# Altium PCB Archimajor.PcbDoc (part 6 of 12) (continued)
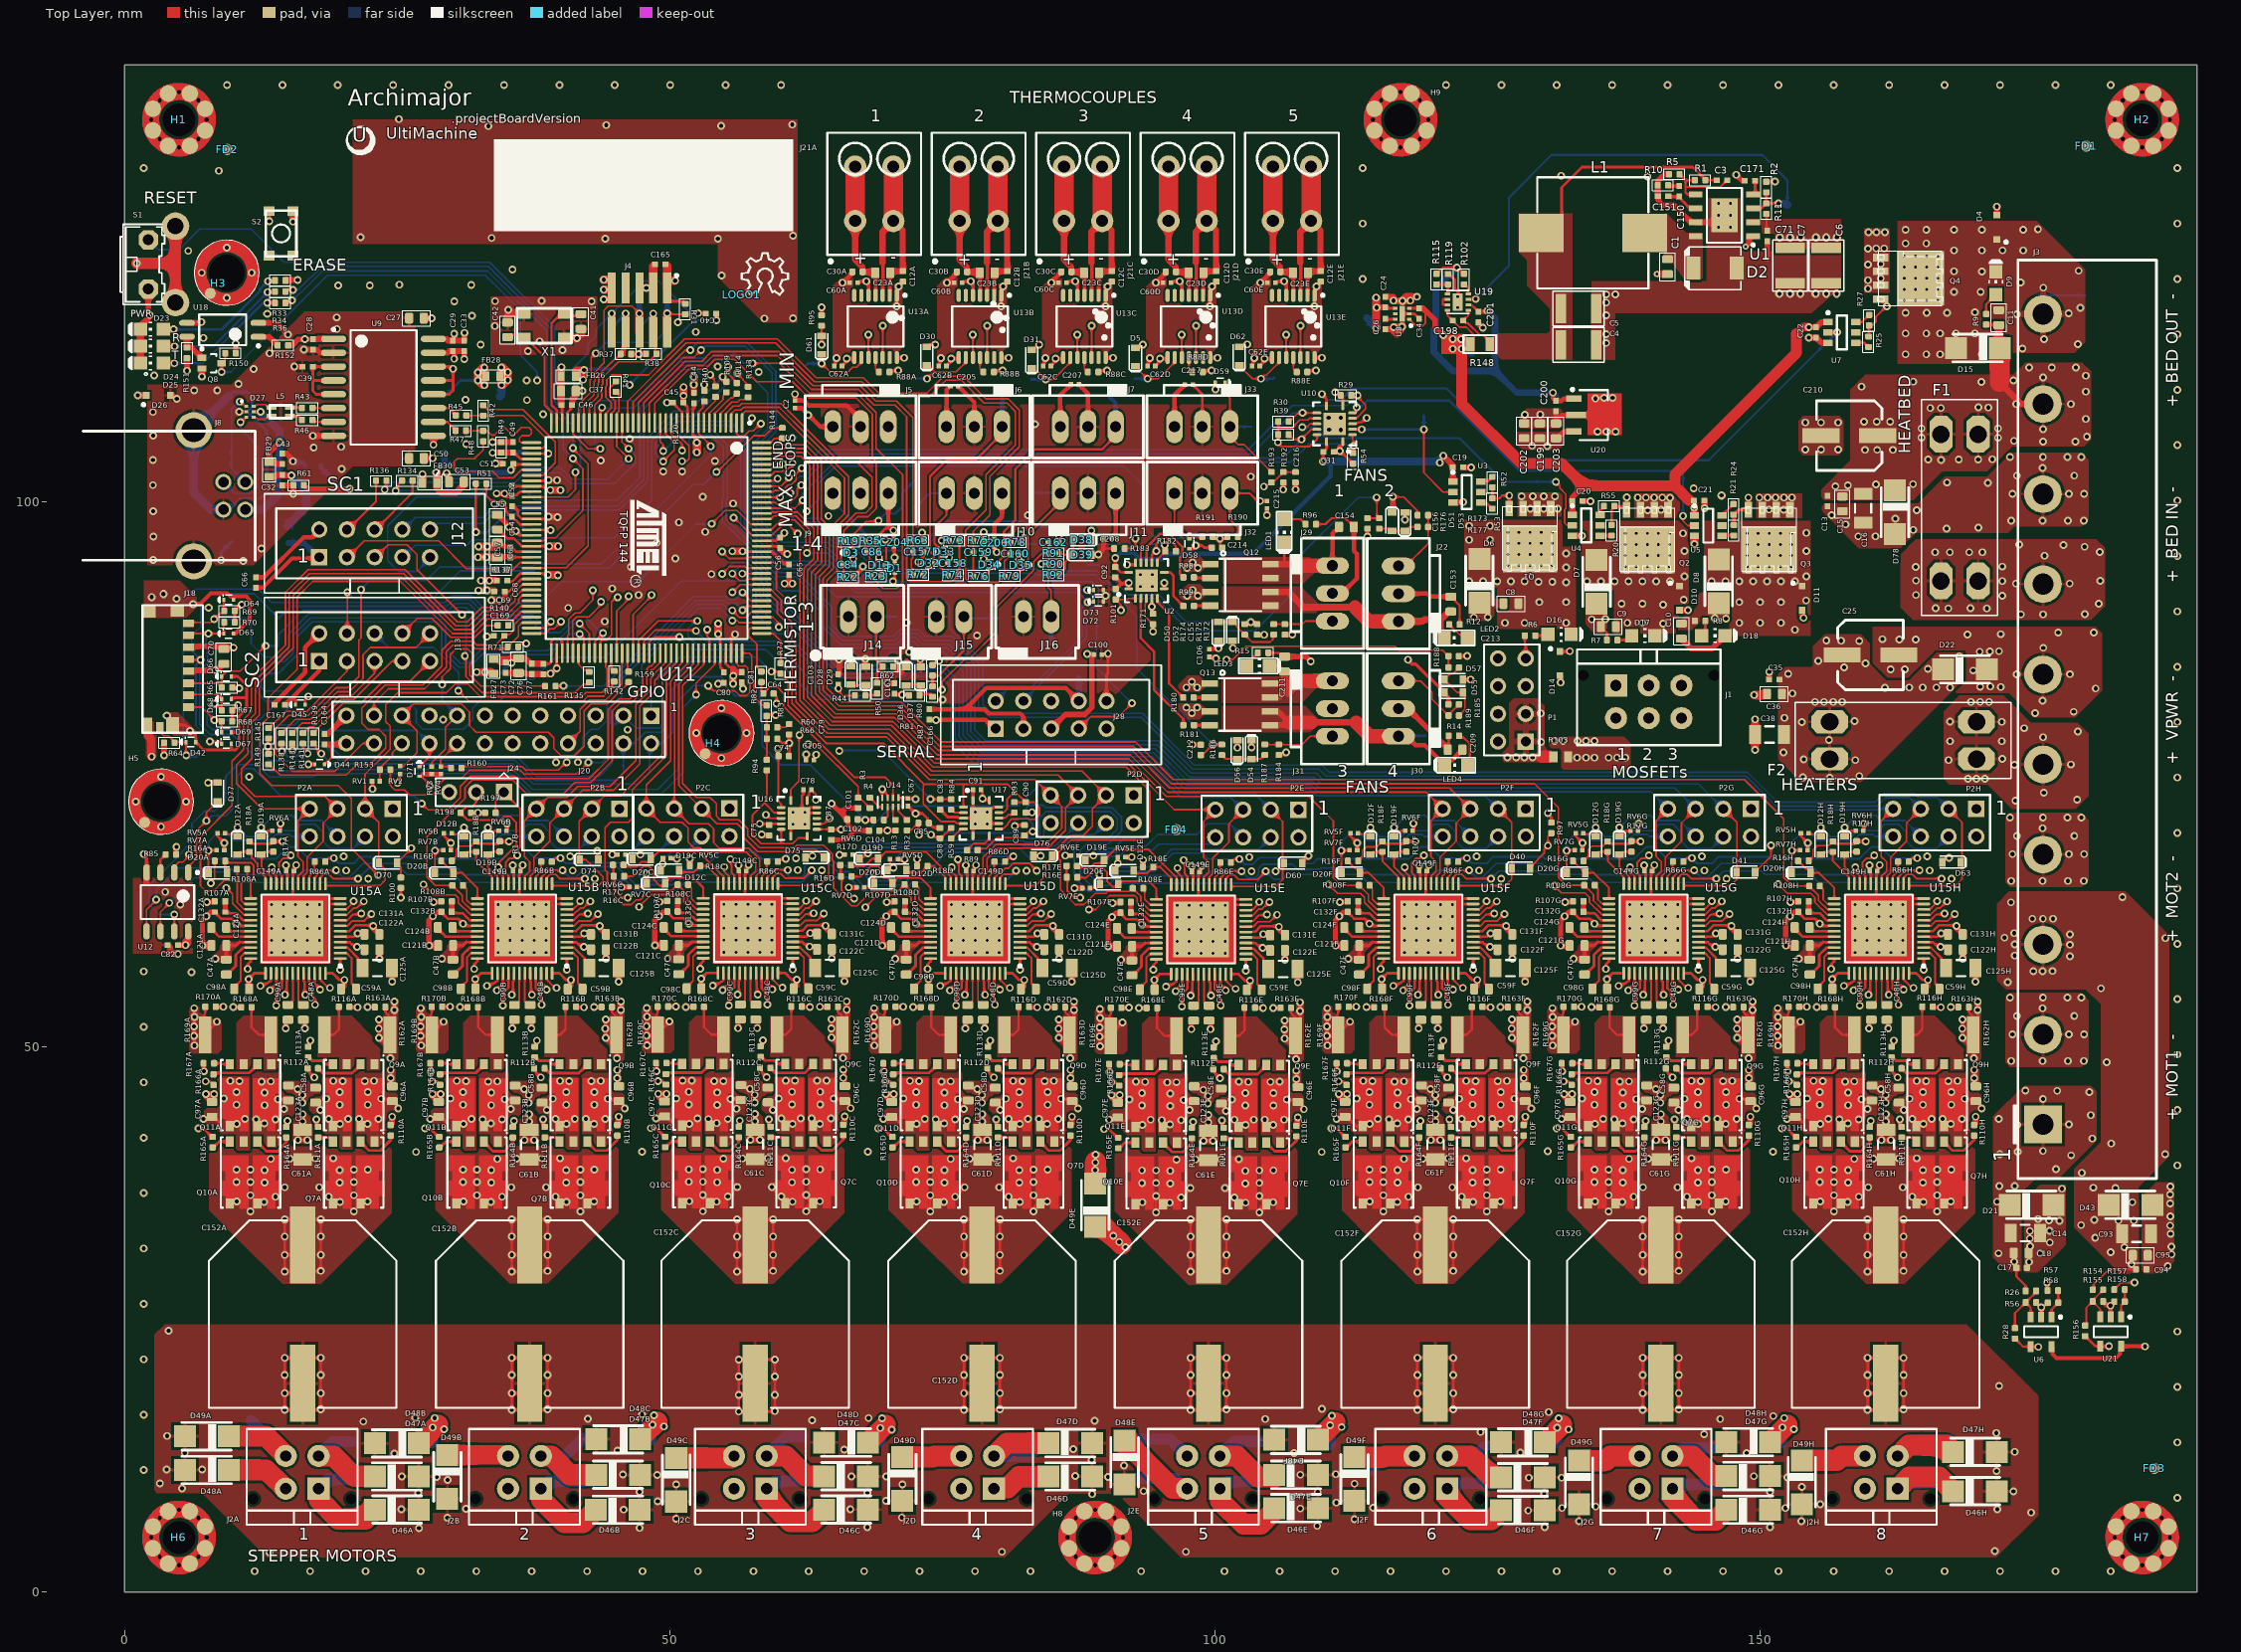
[diagram p0: Top Layer view]
## Nets (pads, with @x,y where several pads share a name; then routed paths per layer and width w, separated by ;. In a path a pad name is that pad's centre, name@x,y a point inside that pad or via, vN(x,y) a via of type N, cw(c..) or ccw(c..) an arc to the next point about the centre after c; other vN are vias at no path point) (continued)
  Bottom Layer w0.152: v1(62.093,103.034) 63.793,104.734 103.018,104.734 107.068,108.784 112.118,108.784 v1(113.043,109.709)
HEATBED: R30.2 U10.9 U11.134 | length 55.6
  Top Layer w0.152: U11.134@58.429,100.388 58.448,100.369 v1(60.118,100.369) ; R30.2@106.893,107.409 107.173,107.688 107.181,107.688 107.556,108.063 107.558,108.065 v1@108.144,108.065 ; v1@108.261,108.109 U10.9@109.336,108.109
  Bottom Layer w0.152: v1(60.118,100.369) 60.118,100.52 60.408,100.81 60.408,101.047 60.936,101.576 61.179,101.576 61.888,102.284 62.293,102.284 64.343,104.334 103.343,104.334 107.121,108.112 v1(108,108.112)
HOLD#: TP78.1 U11.103 U12.7 | length 76.1
  Top Layer w0.152: v1@4.542,62.059 v1@4.572,62.029 ; U12.7@4.572,60.571 v1@4.572,62.029 ; v1@4.593,62.015 4.587,62.015 v1@4.572,62.029 ; v1(52.4,82.285) 52.4,83.323 54.129,85.052 U11.103@54.129,86.088
  Bottom Layer w0.152: v1(4.568,62.115) 3.188,62.115 2.283,63.019 2.283,64.799 5.283,67.799 5.283,67.897 6.193,68.807 6.193,70.459 7.34,71.607 8.24,71.607 9.274,72.641 TP78.1@9.274,73.908 9.274,74.764 10.372,75.862 12.17,75.862 13.31,74.722 17.324,74.722 17.652,75.051 35.42,75.051 37.251,73.219 49.287,73.219 51.193,75.125 51.193,81.078 v1(52.4,82.285)
HTBD-OUT: C11.2 D4.C D9.C D15.A J3.10 Q4.TAB TP37.1 | length 3.9
  Bottom Layer w0.203: 175.895,118.942 175.94,118.897 TP37.1@179.754,118.897
  other v1: 163.3,113.486 165.205,113.486 166.475,113.486 170.285,113.486 174.009,114.012 179.1,114.428 176.01,114.883 163.3,115.391 165.205,115.391 166.475,115.391 167.911,115.391 169.65,115.391 173.513,117.162 178.249,117.241 163.3,117.296 165.227,117.296 167.11,117.296 169.65,117.346 179.318,117.736 167.745,119.201 170.179,119.201 175.931,119.599 173.85,120.074 170.285,121.065 167.745,121.106 179.16,121.144 167.745,123.011 170.285,123.011 172.19,123.011 174.095,123.011 163.3,123.646 165.205,123.646 163.3,124.916 165.205,124.916 167.745,124.916 170.285,124.916 174.095,124.916 175.435,124.948
  other v2: 163.195,118.427 164.211,118.427 165.227,118.427 166.243,118.427 163.195,119.443 164.211,119.443 165.227,119.443 166.243,119.443 163.195,120.459 164.211,120.459 165.227,120.459 166.243,120.459 163.195,121.475 164.211,121.475 165.227,121.475 166.243,121.475 163.195,122.491 164.211,122.491 165.227,122.491 166.243,122.491
HTR1: C8.2 D6.A D14.C D16.C J1.1 Q1.TAB TP40.1 | length 2.5
  Top Layer w0.254: D14.C@131.593,86.234 132.493,86.234 v1(132.518,86.259)
  Bottom Layer w0.254: v2(128.87,94.119) 128.87,93.129 TP40.1@129.289,92.71
  other v1: 126.579,88.862 128.375,88.862 132.185,88.862 129.705,90.767 132.185,90.767 132.185,92.57 129.645,92.621 130.915,92.621 123.295,92.672 124.565,92.672 125.855,92.672 127.105,92.672 128.375,92.672 132.185,93.942 132.185,95.212 123.295,96.482 125.2,96.482 123.295,97.752 125.2,97.752
  other v2: 126.838,94.119 127.854,94.119 129.886,94.119 130.902,94.119 126.838,95.135 127.854,95.135 128.87,95.135 129.886,95.135 130.902,95.135 126.838,96.151 127.854,96.151 128.87,96.151 129.886,96.151 130.902,96.151 126.838,97.167 127.854,97.167 128.87,97.167 129.886,97.167 130.902,97.167
HTR2: C9.2 D7.A D10.C D17.C J1.3 Q2.TAB TP39.1 | length 1.6
  Bottom Layer w0.203: v2(139.627,94.018) 139.627,92.99 TP39.1@140.008,92.609
  other v1: 141.075,88.789 137.799,88.862 139.17,88.862 141.075,90.538 137.265,90.621 139.17,90.621 142.954,90.97 134.09,92.672 135.36,92.672 136.63,92.672 137.9,92.672 139.17,92.672 140.44,92.672 141.71,92.672 143.03,93.129 143.03,95.44 142.893,97.066
  other v2: 137.595,94.018 138.611,94.018 140.643,94.018 141.659,94.018 137.595,95.034 138.611,95.034 139.627,95.034 140.643,95.034 141.659,95.034 137.595,96.05 138.611,96.05 139.627,96.05 140.643,96.05 141.659,96.05 137.595,97.066 138.611,97.066 139.627,97.066 140.643,97.066 141.659,97.066
HTR3: C10.2 D8.A D11.C D18.C J1.5 Q3.TAB TP38.1 | length 6.5
  Top Layer w0.508: C10.2@142.743,87.429 142.873,87.429 142.989,87.313 142.989,87.183 143.663,86.509 145.559,86.509 D18.C@146.735,87.685
  Bottom Layer w0.203: v2(150.803,94.018) 150.803,93.015 TP38.1@151.209,92.609
  other v1: 153.14,88.227 148.06,88.862 149.965,88.862 151.87,88.862 148.06,90.767 149.965,90.767 151.87,90.767 154.181,90.919 145.52,92.672 146.79,92.672 148.06,92.672 149.33,92.672 150.6,92.672 151.87,92.672 153.14,92.672 154.206,93.129 154.206,95.441 154.206,97.117
  other v2: 148.771,94.018 149.787,94.018 151.819,94.018 152.835,94.018 148.771,95.034 149.787,95.034 150.803,95.034 151.819,95.034 152.835,95.034 148.771,96.05 149.787,96.05 150.803,96.05 151.819,96.05 152.835,96.05 148.771,97.066 149.787,97.066 150.803,97.066 151.819,97.066 152.835,97.066
LA1A: R166A.1 U15A.39 | length 13.7
  Top Layer w0.229: v1@13.237,55.125 13.241,55.129 v1@13.241,55.085 ; v1@13.241,55.033 v1@13.241,55.085 ; U15A.39@13.932,56.735 13.932,55.777 13.36,55.205 v1(13.36,55.157) 13.313,55.157 v1@13.241,55.085
  Top Layer w0.254: v1(7.437,46.825) 7.832,46.825 R166A.1@8.162,46.495
  Mid1 w0.254: v1(7.437,46.825) 13.03,52.418 13.03,54.874 13.313,55.157 v1(13.36,55.157)
LA1B: R166B.1 U15B.39 | length 13.7
  Top Layer w0.229: v1@34.012,55.125 34.016,55.129 v1@34.016,55.085 ; v1@34.016,55.033 v1@34.016,55.085 ; U15B.39@34.707,56.735 34.707,55.777 34.135,55.205 v1(34.135,55.157) 34.088,55.157 v1@34.016,55.085
  Top Layer w0.254: v1(28.212,46.825) 28.607,46.825 R166B.1@28.937,46.495
  Mid1 w0.254: v1(28.212,46.825) 33.805,52.418 33.805,54.874 34.088,55.157 v1(34.135,55.157)
LA1C: R166C.1 U15C.39 | length 13.7
  Top Layer w0.229: v1@54.72,55.15 54.724,55.153 v1@54.724,55.109 ; v1@54.724,55.058 v1@54.724,55.109 ; U15C.39@55.415,56.76 55.415,55.801 54.843,55.229 v1(54.843,55.181) 54.795,55.181 v1@54.724,55.109
  Top Layer w0.254: v1(48.92,46.85) 49.315,46.85 R166C.1@49.645,46.52
  Mid1 w0.254: v1(48.92,46.85) 54.513,52.443 54.513,54.899 54.795,55.181 v1(54.843,55.181)
LA1D: R166D.1 U15D.39 | length 13.7
  Top Layer w0.229: v1@75.562,55.125 75.566,55.129 v1@75.566,55.085 ; v1@75.566,55.033 v1@75.566,55.085 ; U15D.39@76.257,56.735 76.257,55.777 75.685,55.205 v1(75.685,55.157) 75.638,55.157 v1@75.566,55.085
  Top Layer w0.254: v1(69.762,46.825) 70.157,46.825 R166D.1@70.487,46.495
  Mid1 w0.254: v1(69.762,46.825) 75.355,52.418 75.355,54.874 75.638,55.157 v1(75.685,55.157)
LA1E: R166E.1 U15E.39 | length 13.7
  Top Layer w0.229: v1@96.27,55.05 96.274,55.053 v1@96.274,55.01 ; v1@96.274,54.958 v1@96.274,55.01 ; U15E.39@96.965,56.66 96.965,55.701 96.393,55.129 v1(96.393,55.081) 96.345,55.081 v1@96.274,55.01
  Top Layer w0.254: v1(90.47,46.75) 90.865,46.75 R166E.1@91.195,46.42
  Mid1 w0.254: v1(90.47,46.75) 96.063,52.343 96.063,54.799 96.345,55.081 v1(96.393,55.081)
LA1F: R166F.1 U15F.39 | length 13.7
  Top Layer w0.229: v1@117.112,55.125 117.116,55.129 v1@117.116,55.085 ; v1@117.116,55.033 v1@117.116,55.085 ; U15F.39@117.807,56.735 117.807,55.777 117.235,55.205 v1(117.235,55.157) 117.188,55.157 v1@117.116,55.085
  Top Layer w0.254: v1(111.312,46.825) 111.707,46.825 R166F.1@112.037,46.495
  Mid1 w0.254: v1(111.312,46.825) 116.905,52.418 116.905,54.874 117.188,55.157 v1(117.235,55.157)
LA1G: R166G.1 U15G.39 | length 13.7
  Top Layer w0.229: v1@137.763,55.125 137.766,55.129 v1@137.766,55.085 ; v1@137.766,55.033 v1@137.766,55.085 ; U15G.39@138.458,56.735 138.458,55.777 137.886,55.205 v1(137.886,55.157) 137.838,55.157 v1@137.766,55.085
  Top Layer w0.254: v1(131.963,46.825) 132.358,46.825 R166G.1@132.688,46.495
  Mid1 w0.254: v1(131.963,46.825) 137.555,52.418 137.555,54.874 137.838,55.157 v1(137.886,55.157)
LA1H: R166H.1 U15H.39 | length 13.7
  Top Layer w0.229: v1@158.413,55.125 158.416,55.129 v1@158.416,55.085 ; v1@158.416,55.033 v1@158.416,55.085 ; U15H.39@159.108,56.735 159.108,55.777 158.536,55.205 v1(158.536,55.157) 158.488,55.157 v1@158.416,55.085
  Top Layer w0.254: v1(152.613,46.825) 153.008,46.825 R166H.1@153.338,46.495
  Mid1 w0.254: v1(152.613,46.825) 158.206,52.418 158.206,54.874 158.488,55.157 v1(158.536,55.157)
LA2A: R167A.2 U15A.38 | length 12.6
  Top Layer w0.229: 13.128,55.83 13.192,55.894 13.432,56.045 U15A.38@13.432,56.735
  Top Layer w0.254: R167A.2@7.255,48.475 7.212,48.433 7.29,48.356 v1(7.29,47.74) ; v1(12.462,55.575) 13.039,55.805
  Mid1 w0.254: v1(7.29,47.74) 7.237,47.74 7.22,47.758 7.307,47.758 12.462,52.913 v1(12.462,55.575)
LA2B: R167B.2 U15B.38 | length 12.6
  Top Layer w0.229: 33.903,55.83 33.967,55.894 34.207,56.045 U15B.38@34.207,56.735
  Top Layer w0.254: R167B.2@28.03,48.475 27.987,48.433 28.065,48.356 v1(28.065,47.74) ; v1(33.237,55.575) 33.814,55.805
  Mid1 w0.254: v1(28.065,47.74) 28.012,47.74 27.995,47.758 28.082,47.758 33.237,52.913 v1(33.237,55.575)
LA2C: R167C.2 U15C.38 | length 12.6
  Top Layer w0.229: 54.611,55.854 54.675,55.918 54.915,56.07 U15C.38@54.915,56.76
  Top Layer w0.254: R167C.2@48.738,48.5 48.695,48.457 48.773,48.38 v1(48.773,47.764) ; v1(53.945,55.6) 54.522,55.83
  Mid1 w0.254: v1(48.773,47.764) 48.72,47.764 48.702,47.782 48.79,47.782 53.945,52.937 v1(53.945,55.6)
LA2D: R167D.2 U15D.38 | length 12.6
  Top Layer w0.229: 75.453,55.83 75.517,55.894 75.757,56.045 U15D.38@75.757,56.735
  Top Layer w0.254: R167D.2@69.58,48.475 69.537,48.433 69.615,48.356 v1(69.615,47.74) ; v1(74.787,55.575) 75.364,55.805
  Mid1 w0.254: v1(69.615,47.74) 69.562,47.74 69.545,47.758 69.632,47.758 74.787,52.913 v1(74.787,55.575)
LA2E: R167E.2 U15E.38 | length 12.6
  Top Layer w0.229: 96.161,55.754 96.225,55.818 96.465,55.97 U15E.38@96.465,56.66
  Top Layer w0.254: R167E.2@90.288,48.4 90.245,48.357 90.323,48.28 v1(90.323,47.664) ; v1(95.495,55.5) 96.072,55.73
  Mid1 w0.254: v1(90.323,47.664) 90.27,47.664 90.252,47.682 90.34,47.682 95.495,52.837 v1(95.495,55.5)
LA2F: R167F.2 U15F.38 | length 12.6
  Top Layer w0.229: 117.003,55.83 117.067,55.894 117.307,56.045 U15F.38@117.307,56.735
  Top Layer w0.254: R167F.2@111.13,48.475 111.087,48.433 111.165,48.356 v1(111.165,47.74) ; v1(116.337,55.575) 116.914,55.805
  Mid1 w0.254: v1(111.165,47.74) 111.112,47.74 111.095,47.758 111.182,47.758 116.337,52.913 v1(116.337,55.575)
LA2G: R167G.2 U15G.38 | length 12.6
  Top Layer w0.229: 137.653,55.83 137.717,55.894 137.958,56.045 U15G.38@137.958,56.735
  Top Layer w0.254: R167G.2@131.78,48.475 131.738,48.433 131.815,48.356 v1(131.815,47.74) ; v1(136.988,55.575) 137.564,55.805
  Mid1 w0.254: v1(131.815,47.74) 131.762,47.74 131.745,47.758 131.833,47.758 136.988,52.913 v1(136.988,55.575)
LA2H: R167H.2 U15H.38 | length 12.6
  Top Layer w0.229: 158.303,55.83 158.367,55.894 158.608,56.045 U15H.38@158.608,56.735
  Top Layer w0.254: R167H.2@152.43,48.475 152.388,48.433 152.465,48.356 v1(152.465,47.74) ; v1(157.638,55.575) 158.214,55.805
  Mid1 w0.254: v1(152.465,47.74) 152.413,47.74 152.395,47.758 152.483,47.758 157.638,52.913 v1(157.638,55.575)
LB1A: R112A.1 U15A.47 | length 11.8
  Top Layer w0.178: U15A.47@17.932,56.735 17.932,56.149 18.518,55.563 18.771,55.563 18.771,55.462 v1(18.847,55.385)
  Top Layer w0.254: R112A.1@16.792,48.019 16.944,47.867 16.944,47.636 v1(17.399,47.181)
  Mid1 w0.178: v1@18.847,55.309 v1(18.847,55.385)
  Mid1 w0.254: v1(17.399,47.181) 18.847,48.629 v1@18.847,55.309
LB1B: R112B.1 U15B.47 | length 11.8
  Top Layer w0.178: U15B.47@38.707,56.735 38.707,56.149 39.293,55.563 39.546,55.563 39.546,55.462 v1(39.622,55.385)
  Top Layer w0.254: R112B.1@37.567,48.019 37.719,47.867 37.719,47.636 v1(38.174,47.181)
  Mid1 w0.178: v1@39.622,55.309 v1(39.622,55.385)
  Mid1 w0.254: v1(38.174,47.181) 39.622,48.629 v1@39.622,55.309
LB1C: R112C.1 U15C.47 | length 11.8
  Top Layer w0.178: U15C.47@59.415,56.76 59.415,56.173 60.001,55.588 60.253,55.588 60.253,55.486 v1(60.33,55.41)
  Top Layer w0.254: R112C.1@58.275,48.044 58.427,47.891 58.427,47.66 v1(58.882,47.206)
  Mid1 w0.178: v1@60.33,55.334 v1(60.33,55.41)
  Mid1 w0.254: v1(58.882,47.206) 60.33,48.653 v1@60.33,55.334
LB1D: R112D.1 U15D.47 | length 11.8
  Top Layer w0.178: U15D.47@80.257,56.735 80.257,56.149 80.843,55.563 81.096,55.563 81.096,55.462 v1(81.172,55.385)
  Top Layer w0.254: R112D.1@79.117,48.019 79.269,47.867 79.269,47.636 v1(79.724,47.181)
  Mid1 w0.178: v1@81.172,55.309 v1(81.172,55.385)
  Mid1 w0.254: v1(79.724,47.181) 81.172,48.629 v1@81.172,55.309
LB1E: R112E.1 U15E.47 | length 11.8
  Top Layer w0.178: U15E.47@100.965,56.66 100.965,56.073 101.551,55.488 101.803,55.488 101.803,55.386 v1(101.88,55.31)
  Top Layer w0.254: R112E.1@99.825,47.944 99.977,47.791 99.977,47.56 v1(100.432,47.106)
  Mid1 w0.178: v1@101.88,55.234 v1(101.88,55.31)
  Mid1 w0.254: v1(100.432,47.106) 101.88,48.553 v1@101.88,55.234
LB1F: R112F.1 U15F.47 | length 11.8
  Top Layer w0.178: U15F.47@121.807,56.735 121.807,56.149 122.393,55.563 122.646,55.563 122.646,55.462 v1(122.722,55.385)
  Top Layer w0.254: R112F.1@120.667,48.019 120.819,47.867 120.819,47.636 v1(121.274,47.181)
  Mid1 w0.178: v1@122.722,55.309 v1(122.722,55.385)
  Mid1 w0.254: v1(121.274,47.181) 122.722,48.629 v1@122.722,55.309
LB1G: R112G.1 U15G.47 | length 11.8
  Top Layer w0.178: U15G.47@142.458,56.735 142.458,56.149 143.043,55.563 143.296,55.563 143.296,55.462 v1(143.372,55.385)
  Top Layer w0.254: R112G.1@141.317,48.019 141.47,47.867 141.47,47.636 v1(141.924,47.181)
  Mid1 w0.178: v1@143.372,55.309 v1(143.372,55.385)
  Mid1 w0.254: v1(141.924,47.181) 143.372,48.629 v1@143.372,55.309
LB1H: R112H.1 U15H.47 | length 11.8
  Top Layer w0.178: U15H.47@163.108,56.735 163.108,56.149 163.694,55.563 163.946,55.563 163.946,55.462 v1(164.022,55.385)
  Top Layer w0.254: R112H.1@161.967,48.019 162.12,47.867 162.12,47.636 v1(162.574,47.181)
  Mid1 w0.178: v1@164.022,55.309 v1(164.022,55.385)
  Mid1 w0.254: v1(162.574,47.181) 164.022,48.629 v1@164.022,55.309
LB2A: R113A.2 U15A.46 | length 7.8
  Top Layer w0.229: U15A.46@17.432,56.735 17.432,55.835 v1@17.882,55.385
  Top Layer w0.254: R113A.2@16.739,49.874 17.043,50.178 v1(17.043,50.559) ; v1@17.882,55.385 17.932,55.335 v1(17.932,55.233)
  Mid1 w0.254: v1(17.043,50.559) 18.212,51.728 18.212,54.471 17.932,54.75 v1(17.932,55.233) v1@17.907,55.258
LB2B: R113B.2 U15B.46 | length 7.8
  Top Layer w0.229: U15B.46@38.207,56.735 38.207,55.835 v1@38.657,55.385
  Top Layer w0.254: R113B.2@37.514,49.874 37.818,50.178 v1(37.818,50.559) ; v1@38.657,55.385 38.707,55.335 v1(38.707,55.233)
  Mid1 w0.254: v1(37.818,50.559) 38.987,51.728 38.987,54.471 38.707,54.75 v1(38.707,55.233) v1@38.682,55.258
LB2C: R113C.2 U15C.46 | length 7.8
  Top Layer w0.229: U15C.46@58.915,56.76 58.915,55.859 v1@59.364,55.41
  Top Layer w0.254: R113C.2@58.221,49.898 58.526,50.203 v1(58.526,50.584) ; v1@59.364,55.41 59.415,55.359 v1(59.415,55.257)
  Mid1 w0.254: v1(58.526,50.584) 59.695,51.752 59.695,54.495 59.415,54.775 v1(59.415,55.257) v1@59.39,55.283
LB2D: R113D.2 U15D.46 | length 7.8
  Top Layer w0.229: U15D.46@79.757,56.735 79.757,55.835 v1@80.207,55.385
  Top Layer w0.254: R113D.2@79.064,49.874 79.368,50.178 v1(79.368,50.559) ; v1@80.207,55.385 80.257,55.335 v1(80.257,55.233)
  Mid1 w0.254: v1(79.368,50.559) 80.537,51.728 80.537,54.471 80.257,54.75 v1(80.257,55.233) v1@80.232,55.258
LB2E: R113E.2 U15E.46 | length 7.8
  Top Layer w0.229: U15E.46@100.465,56.66 100.465,55.759 v1@100.914,55.31
  Top Layer w0.254: R113E.2@99.771,49.798 100.076,50.103 v1(100.076,50.484) ; v1@100.914,55.31 100.965,55.259 v1(100.965,55.157)
  Mid1 w0.254: v1(100.076,50.484) 101.245,51.652 101.245,54.395 100.965,54.675 v1(100.965,55.157) v1@100.94,55.183
LB2F: R113F.2 U15F.46 | length 7.8
  Top Layer w0.229: U15F.46@121.307,56.735 121.307,55.835 v1@121.757,55.385
  Top Layer w0.254: R113F.2@120.614,49.874 120.918,50.178 v1(120.918,50.559) ; v1@121.757,55.385 121.807,55.335 v1(121.807,55.233)
  Mid1 w0.254: v1(120.918,50.559) 122.087,51.728 122.087,54.471 121.807,54.75 v1(121.807,55.233) v1@121.782,55.258
LB2G: R113G.2 U15G.46 | length 7.8
  Top Layer w0.229: U15G.46@141.958,56.735 141.958,55.835 v1@142.407,55.385
  Top Layer w0.254: R113G.2@141.264,49.874 141.569,50.178 v1(141.569,50.559) ; v1@142.407,55.385 142.458,55.335 v1(142.458,55.233)
  Mid1 w0.254: v1(141.569,50.559) 142.737,51.728 142.737,54.471 142.458,54.75 v1(142.458,55.233) v1@142.432,55.258
LB2H: R113H.2 U15H.46 | length 7.8
  Top Layer w0.229: U15H.46@162.608,56.735 162.608,55.835 v1@163.057,55.385
  Top Layer w0.254: R113H.2@161.914,49.874 162.219,50.178 v1(162.219,50.559) ; v1@163.057,55.385 163.108,55.335 v1(163.108,55.233)
  Mid1 w0.254: v1(162.219,50.559) 163.387,51.728 163.387,54.471 163.108,54.75 v1(163.108,55.233) v1@163.082,55.258
LED_R: R34.1 U11.60 | length 55
  Top Layer w0.152: R34.1@14.759,119.241 14.915,119.398 14.912,119.402 v1(15.459,119.402) ; U11.60@37.329,93.888 38.457,93.888 38.489,93.919 40.515,93.919 42.52,95.924 42.52,103.435 41.123,104.832 v1(41.123,104.877)
  Bottom Layer w0.152: v1(15.459,119.402) 15.937,119.402 18.101,121.565 33.343,121.565 39.078,115.83 39.078,108.96 41.123,106.915 v1(41.123,104.877)
LED_Y: R36.1 U11.55 | length 51.3
  Top Layer w0.152: R36.1@14.758,118.198 15.009,118.198 15.307,118.496 15.362,118.441 v1(15.362,118.426) ; U11.55@37.329,96.388 38.43,96.388 38.703,96.66 39.522,96.66 42.037,99.175 42.037,103.002 v1(41.12,103.919)
  Bottom Layer w0.152: v1(15.362,118.426) 15.402,118.426 15.985,119.01 15.985,119.03 16.002,119.046 16.085,119.046 18.162,121.124 33.281,121.124 38.722,115.683 38.722,108.776 40.234,107.265 40.234,104.805 v1(41.12,103.919)
M_nCS1: D70.K P2A.3 U11.83 U15A.13 | length 49
  Top Layer w0.152: U15A.13@18.432,64.935 18.432,64.76 23.393,64.76 23.918,65.284 23.918,66.243 D70.K@23.3,66.861 23.3,70.575 P2A.3@22.065,71.81 22.065,74.976 24.352,77.263 24.352,79.395 23.952,79.795 23.952,81.358 25.044,82.45 29.503,82.45 30.328,83.275 31.46,83.275 32.641,82.094 41.93,82.094 42.328,82.492 43.8,82.492 44.248,82.94 44.248,84.68 44.132,84.796 ; U11.83@44.129,86.088 44.132,86.084 44.132,84.796
M_nCS2: D74.K P2B.3 U11.96 U15B.13 | length 31.7
  Top Layer w0.152: U15B.13@39.207,64.935 39.207,64.76 43.475,64.76 43.869,65.154 43.869,65.587 42.302,67.154 D74.K@41.746,67.154 41.682,67.218 41.682,70.652 P2B.3@42.84,71.81 44.04,73.01 45.525,73.01 49.315,76.8 49.315,83.788 49.34,83.814 49.34,83.94 50.533,85.133 50.533,85.19 50.629,85.286 U11.96@50.629,86.088
M_nCS3: D75.K P2C.3 U11.100 U15C.13 | length 36.7
  Top Layer w0.152: U11.100@52.629,86.088 52.61,86.069 52.61,85.043 50.823,83.256 50.823,73.944 P2C.3@52.933,71.834 54.318,70.449 56.178,70.449 56.788,69.839 56.788,69.153 58.047,67.894 61.56,67.894 61.785,68.119 63.357,68.119 63.818,67.658 63.918,67.658 64.142,67.434 D75.K@64.142,67.334 64.544,66.932 64.544,66.923 64.573,66.894 64.573,65.639 63.718,64.784 59.915,64.784 U15C.13@59.915,64.96
M_nCS4: D76.K P2D.3 U11.128 U15D.13 | length 66.9
  Top Layer w0.152: U11.128@58.429,97.388 59.276,97.388 60.186,98.298 61.423,98.298 62.49,97.232 62.49,96.082 61.92,95.512 61.92,81.761 64.579,79.101 70.166,79.101 74.008,75.26 87.782,75.26 P2D.3@89.993,73.049 88.743,71.799 88.743,70.209 87.893,69.359 86.702,69.359 85.272,67.93 85.272,67.745 84.986,67.458 84.986,67.258 84.473,66.746 84.473,65.676 83.557,64.76 80.757,64.76 U15D.13@80.757,64.935
M_nCS5: D60.K P2E.3 U11.120 U15E.13 | length 75.2
  Top Layer w0.152: v1(56.652,93.368) 56.671,93.388 U11.120@58.429,93.388 ; U15E.13@101.465,64.86 101.465,64.684 105.559,64.684 106.185,65.31 106.185,70.647 P2E.3@105.098,71.734
  Bottom Layer w0.152: v1(56.652,93.368) 56.734,93.286 57.091,93.286 58.254,92.123 58.254,91.347 65.161,84.44 65.39,84.44 65.616,84.214 69.473,84.214 69.555,84.297 71.27,84.297 71.886,84.912 72.18,84.912 72.796,84.297 75.131,84.297 76.165,83.262 76.165,78.257 78.212,76.209 94.048,76.209 97.023,73.234 103.598,73.234 P2E.3@105.098,71.734
M_nCS6: D40.K P2F.3 U11.119 U15F.13 | length 99.1
  Top Layer w0.152: v1(55.731,93.383) 56.38,92.733 56.931,92.733 57.085,92.888 U11.119@58.429,92.888 ; U15F.13@122.307,64.935 122.307,64.76 126.575,64.76 127.175,65.36 127.175,70.575 P2F.3@125.94,71.81
  Bottom Layer w0.152: v1(55.731,93.383) 55.768,93.383 56.414,94.029 56.998,94.029 57.298,93.729 57.298,93.723 58.61,92.411 58.61,91.495 65.309,84.796 66.717,84.796 66.943,84.569 69.325,84.569 69.408,84.652 71.123,84.652 71.738,85.268 72.328,85.268 72.943,84.652 75.35,84.652 76.535,83.468 76.535,78.39 78.326,76.598 94.209,76.598 97.184,73.623 108.654,73.623 109.257,73.02 124.73,73.02 P2F.3@125.94,71.81
M_nCS7: D41.K P2G.3 U11.13 U15G.13 | length 138
  Top Layer w0.152: U11.13@50.629,107.188 50.629,106.228 51.772,105.085 51.772,103.918 51.532,103.678 v1(51.124,103.678) ; U15G.13@142.958,64.935 142.958,64.76 147.225,64.76 147.825,65.36 147.825,70.575 P2G.3@146.59,71.81
  Bottom Layer w0.152: v1(51.124,103.678) 51.608,103.678 51.766,103.836 51.766,105.692 52.17,106.096 53.831,106.096 54.918,105.009 54.918,100.335 54.802,100.22 54.802,98.149 55.433,97.519 55.514,97.519 57.618,95.415 57.618,94.918 58.365,94.171 58.365,94.165 59.676,92.853 59.676,92.826 59.883,92.619 59.883,92.197 60.271,91.809 61.943,91.809 64.087,89.665 64.087,88.449 65.629,86.907 70.777,86.907 71.396,87.525 72.511,87.525 73.13,86.907 75.604,86.907 77.601,84.909 77.601,78.903 78.82,77.684 94.659,77.684 97.634,74.709 109.104,74.709 109.726,74.087 144.313,74.087 P2G.3@146.59,71.81
M_nCS8: D63.K P2H.3 U11.15 U15H.13 | length 161.9
  Top Layer w0.152: v1(49.388,103.666) 50.391,104.67 50.391,105.42 49.629,106.182 U11.15@49.629,107.188 ; U15H.13@163.608,64.935 163.608,64.76 167.875,64.76 168.475,65.36 168.475,66.91 168.475,70.575 P2H.3@167.24,71.81
  Bottom Layer w0.152: v1(49.388,103.666) 48.692,104.362 48.692,105.381 50.639,107.328 55.499,107.328 56.848,105.979 56.848,97.693 58.685,95.856 58.685,95.36 59.432,94.613 59.432,94.607 60.22,93.818 62.709,93.818 65.268,91.259 74.819,91.259 75.67,90.408 75.67,88.349 78.707,85.312 78.707,81.345 79.492,80.56 93.34,80.56 98.07,75.83 109.781,75.83 110.446,75.165 148.817,75.165 151.561,72.421 160.526,72.421 161.301,73.195 164.137,73.195 164.473,72.859 166.191,72.859 P2H.3@167.24,71.81
MAX_ES1: C86.1 R23.1 R35.1 U11.32 | length 62.1
  Top Layer w0.152: U11.32@41.129,107.188 41.129,106.199 42.503,104.826 v1(43.625,104.826) ; v1(57.568,112.659) 60.071,112.659 62.822,109.909 67.162,109.909 68.923,108.148 68.923,104.879 71.343,102.459 71.343,92.584 70.768,92.009 69.563,92.009 68.666,92.906 68.66,92.906 68.438,93.128 R23.1@68.438,93.134 68.294,93.279 68.328,93.313 68.328,95.174 67.916,95.586 R35.1@67.916,96.43
  Bottom Layer w0.152: v1(43.625,104.826) 43.151,105.299 43.151,108.864 43.523,109.236 46.867,109.236 50.776,113.146 53.226,113.146 53.801,113.721 55.735,113.721 56.796,112.659 v1(57.568,112.659)
MAX_ES2: C158.1 R73.1 R74.1 U11.18 | length 52.7
  Top Layer w0.152: U11.18@48.129,107.188 48.129,109.01 51.578,112.459 51.597,112.459 51.602,112.465 53.071,112.465 53.979,113.374 59.86,113.374 62.969,110.264 67.31,110.264 68.735,108.839 70.638,108.839 71.718,107.759 71.718,92.939 72.001,92.656 75.861,92.656 R74.1@76.462,93.256
  Top Layer w0.203: R74.1@76.462,93.256 76.552,93.346 R73.1@76.552,96.421
MAX_ES3: C160.1 R78.1 R79.1 U11.22 | length 68.2
  Top Layer w0.152: U11.22@46.129,107.188 46.129,109.168 51.496,114.534 59.705,114.534 63.264,110.976 67.604,110.976 69.03,109.55 73.775,109.55 75.328,111.127 76.704,111.127 78.82,109.012 80.918,109.012 81.682,108.247 81.682,105.156 78.982,102.456 78.982,99.206 77.132,97.356 77.132,92.931 77.482,92.581 80.097,92.581 R79.1@80.684,93.167 80.684,94.515 81.032,94.864 81.032,95.106 81.132,95.206 C160.1@81.221,95.206 81.221,96.256 R78.1@81.219,96.258
MAX_ES4: C216.1 R192.1 R193.1 U11.122 | length 56.6
  Top Layer w0.152: U11.122@58.429,94.388 59.59,94.388 59.768,94.209 59.768,91.936 60.82,90.884 v1(61.243,90.884) ; v1(104.468,101.359) 104.619,101.359 104.808,101.548 104.987,101.548 R193.1@105.168,101.729 105.349,101.911 105.489,101.911 106.061,102.483 106.061,102.489 106.262,102.689 R192.1@106.268,102.689 106.273,102.684 C216.1@107.368,102.684
  Mid1 w0.152: v1(61.243,90.884) 63.918,90.884 66.458,93.425 72.991,93.425 77.675,98.109 101.217,98.109 v1(104.468,101.359)
MCCDA: D66.C J18.3 R65.2 TP15.1 U11.72 | length 43.2
  Top Layer w0.152: J18.3@5.89,83.326 8.52,83.326 R65.2@8.892,82.955 ; R65.2@8.892,82.83 R65.2@8.892,82.955 ; R65.2@8.916,82.931 R65.2@8.892,82.955 ; v1(12.929,86.754) 10.621,84.447 9.397,84.447 D66.C@8.897,83.947 8.892,83.942 8.892,83.407 ; U11.72@37.329,87.888 38.573,87.888 39.009,88.323 39.388,88.323 v1(40.027,88.962) ; R65.2@8.892,82.955 8.892,83.4 ; 8.892,83.4 8.9,83.407 8.892,83.407 ; 8.892,83.4 8.892,83.407
  Bottom Layer w0.152: v1(12.929,86.754) 12.942,86.741 TP15.1@14.097,86.741 14.097,87.77 16.358,90.031 29.708,90.031 30.317,90.641 31.557,90.641 32.624,89.574 37.389,89.574 38.633,88.329 39.394,88.329 v1(40.027,88.962)
MCCK: D67.C J18.5 TP21.1 U11.71 | length 53.3
  Top Layer w0.152: J18.5@5.89,85.471 v1(6.985,85.471) ; v1(7.823,77.981) 8.698,77.981 D67.C@8.897,77.782 ; U11.71@37.329,88.388 38.514,88.388 v1(39.091,88.964)
  Bottom Layer w0.152: v1@7.975,77.981 6.553,79.403 6.553,85.039 v1(6.985,85.471) 6.985,85.496 6.175,86.306 6.175,87.681 7.012,88.518 7.012,90.718 7.825,91.531 11.9,91.531 TP21.1@14.15,89.281 15.255,90.387 29.56,90.387 30.17,90.996 31.704,90.996 32.771,89.929 38.125,89.929 v1(39.091,88.964)
MCDA0: D65.C J18.7 R70.2 TP14.1 U11.107 | length 78.7
  Top Layer w0.152: J18.7@5.89,87.726 6.046,87.882 v1@7.696,87.882 ; v1(7.696,87.872) v1@7.696,87.882 ; v1@7.696,87.897 v1@7.696,87.882 ; R70.2@9.093,88.824 9.093,88.506 9.1,88.499 D65.C@9.1,87.882 v1@7.696,87.882 ; v1(53.519,83.104) 53.987,82.635 55.975,82.635 56.435,82.175 57.038,82.175 57.356,82.493 57.356,83.156 57.156,83.355 57.156,84.727 56.97,84.912 56.801,84.912 56.796,84.908 56.32,84.908 56.129,85.099 U11.107@56.129,86.088
  Bottom Layer w0.152: v1@7.849,87.872 7.493,87.516 TP14.1@7.493,86.741 7.635,86.6 7.635,85.204 6.909,84.478 6.909,79.55 7.843,78.616 9.919,78.616 13.284,75.251 17.135,75.251 17.29,75.406 35.567,75.406 37.398,73.575 48.883,73.575 50.793,75.484 50.793,81.709 52.187,83.104 v1(53.519,83.104)
MCDA1: D64.C J18.8 R69.2 TP20.1 U11.81 | length 50.3
  Top Layer w0.152: J18.8@5.89,88.826 5.971,88.907 7.425,88.907 ; 7.577,88.907 7.425,88.907 ; v1@8.153,89.129 7.932,88.907 7.425,88.907 ; v1@8.235,89.193 8.775,89.732 8.909,89.732 R69.2@9.144,89.967 9.1,90.011 D64.C@9.1,90.983 ; U11.81@43.129,86.088 43.148,86.106 43.148,87.184 v1(43.877,87.914)
  Bottom Layer w0.152: v1@8.375,89.206 11.535,89.206 TP20.1@11.61,89.281 11.61,89.206 11.61,86.968 12.852,85.725 14.554,85.725 15.037,86.208 15.037,87.821 16.891,89.675 29.855,89.675 30.465,90.285 31.293,90.285 32.36,89.218 37.109,89.218 38.354,87.974 39.966,87.974 41.452,89.459 42.25,89.459 43.796,87.914 v1(43.877,87.914)
  other v1: 8.223,89.206
MCDA2: D69.C J18.1 R68.1 TP16.1 U11.80 | length 55.4
  Top Layer w0.152: J18.1@5.89,81.126 7.076,81.126 8.115,80.087 8.242,80.087 v1@8.344,79.985 ; v1@8.446,79.883 v1@8.344,79.985 ; R68.1@8.824,79.883 R68.1@8.875,79.832 ; D69.C@8.897,78.816 8.897,79.81 R68.1@8.875,79.832 ; R68.1@8.918,79.832 R68.1@8.875,79.832 ; v1(41.732,88.786) 42.629,87.89 U11.80@42.629,86.088 ; v1@8.344,79.985 8.307,79.947 v1(8.255,79.947) 8.293,79.985 v1@8.344,79.985
  Top Layer w0.406: v1@8.446,79.883 R68.1@8.824,79.883
  Bottom Layer w0.152: v1(8.255,79.947) 12.383,79.947 TP16.1@14.097,81.661 12.993,81.661 12.116,82.538 12.116,83.757 13.677,85.319 14.707,85.319 15.469,86.081 15.469,87.72 17.069,89.32 28.748,89.32 29.439,88.629 29.439,86.516 30.798,85.157 31.461,85.157 32.601,86.297 32.606,86.297 32.695,86.386 35.742,86.386 35.83,86.297 38.802,86.297 41.291,88.786 v1(41.732,88.786)